# Altium PCB Copy of TempdevAmmy0923.PcbDoc (part 3 of 4) (continued)
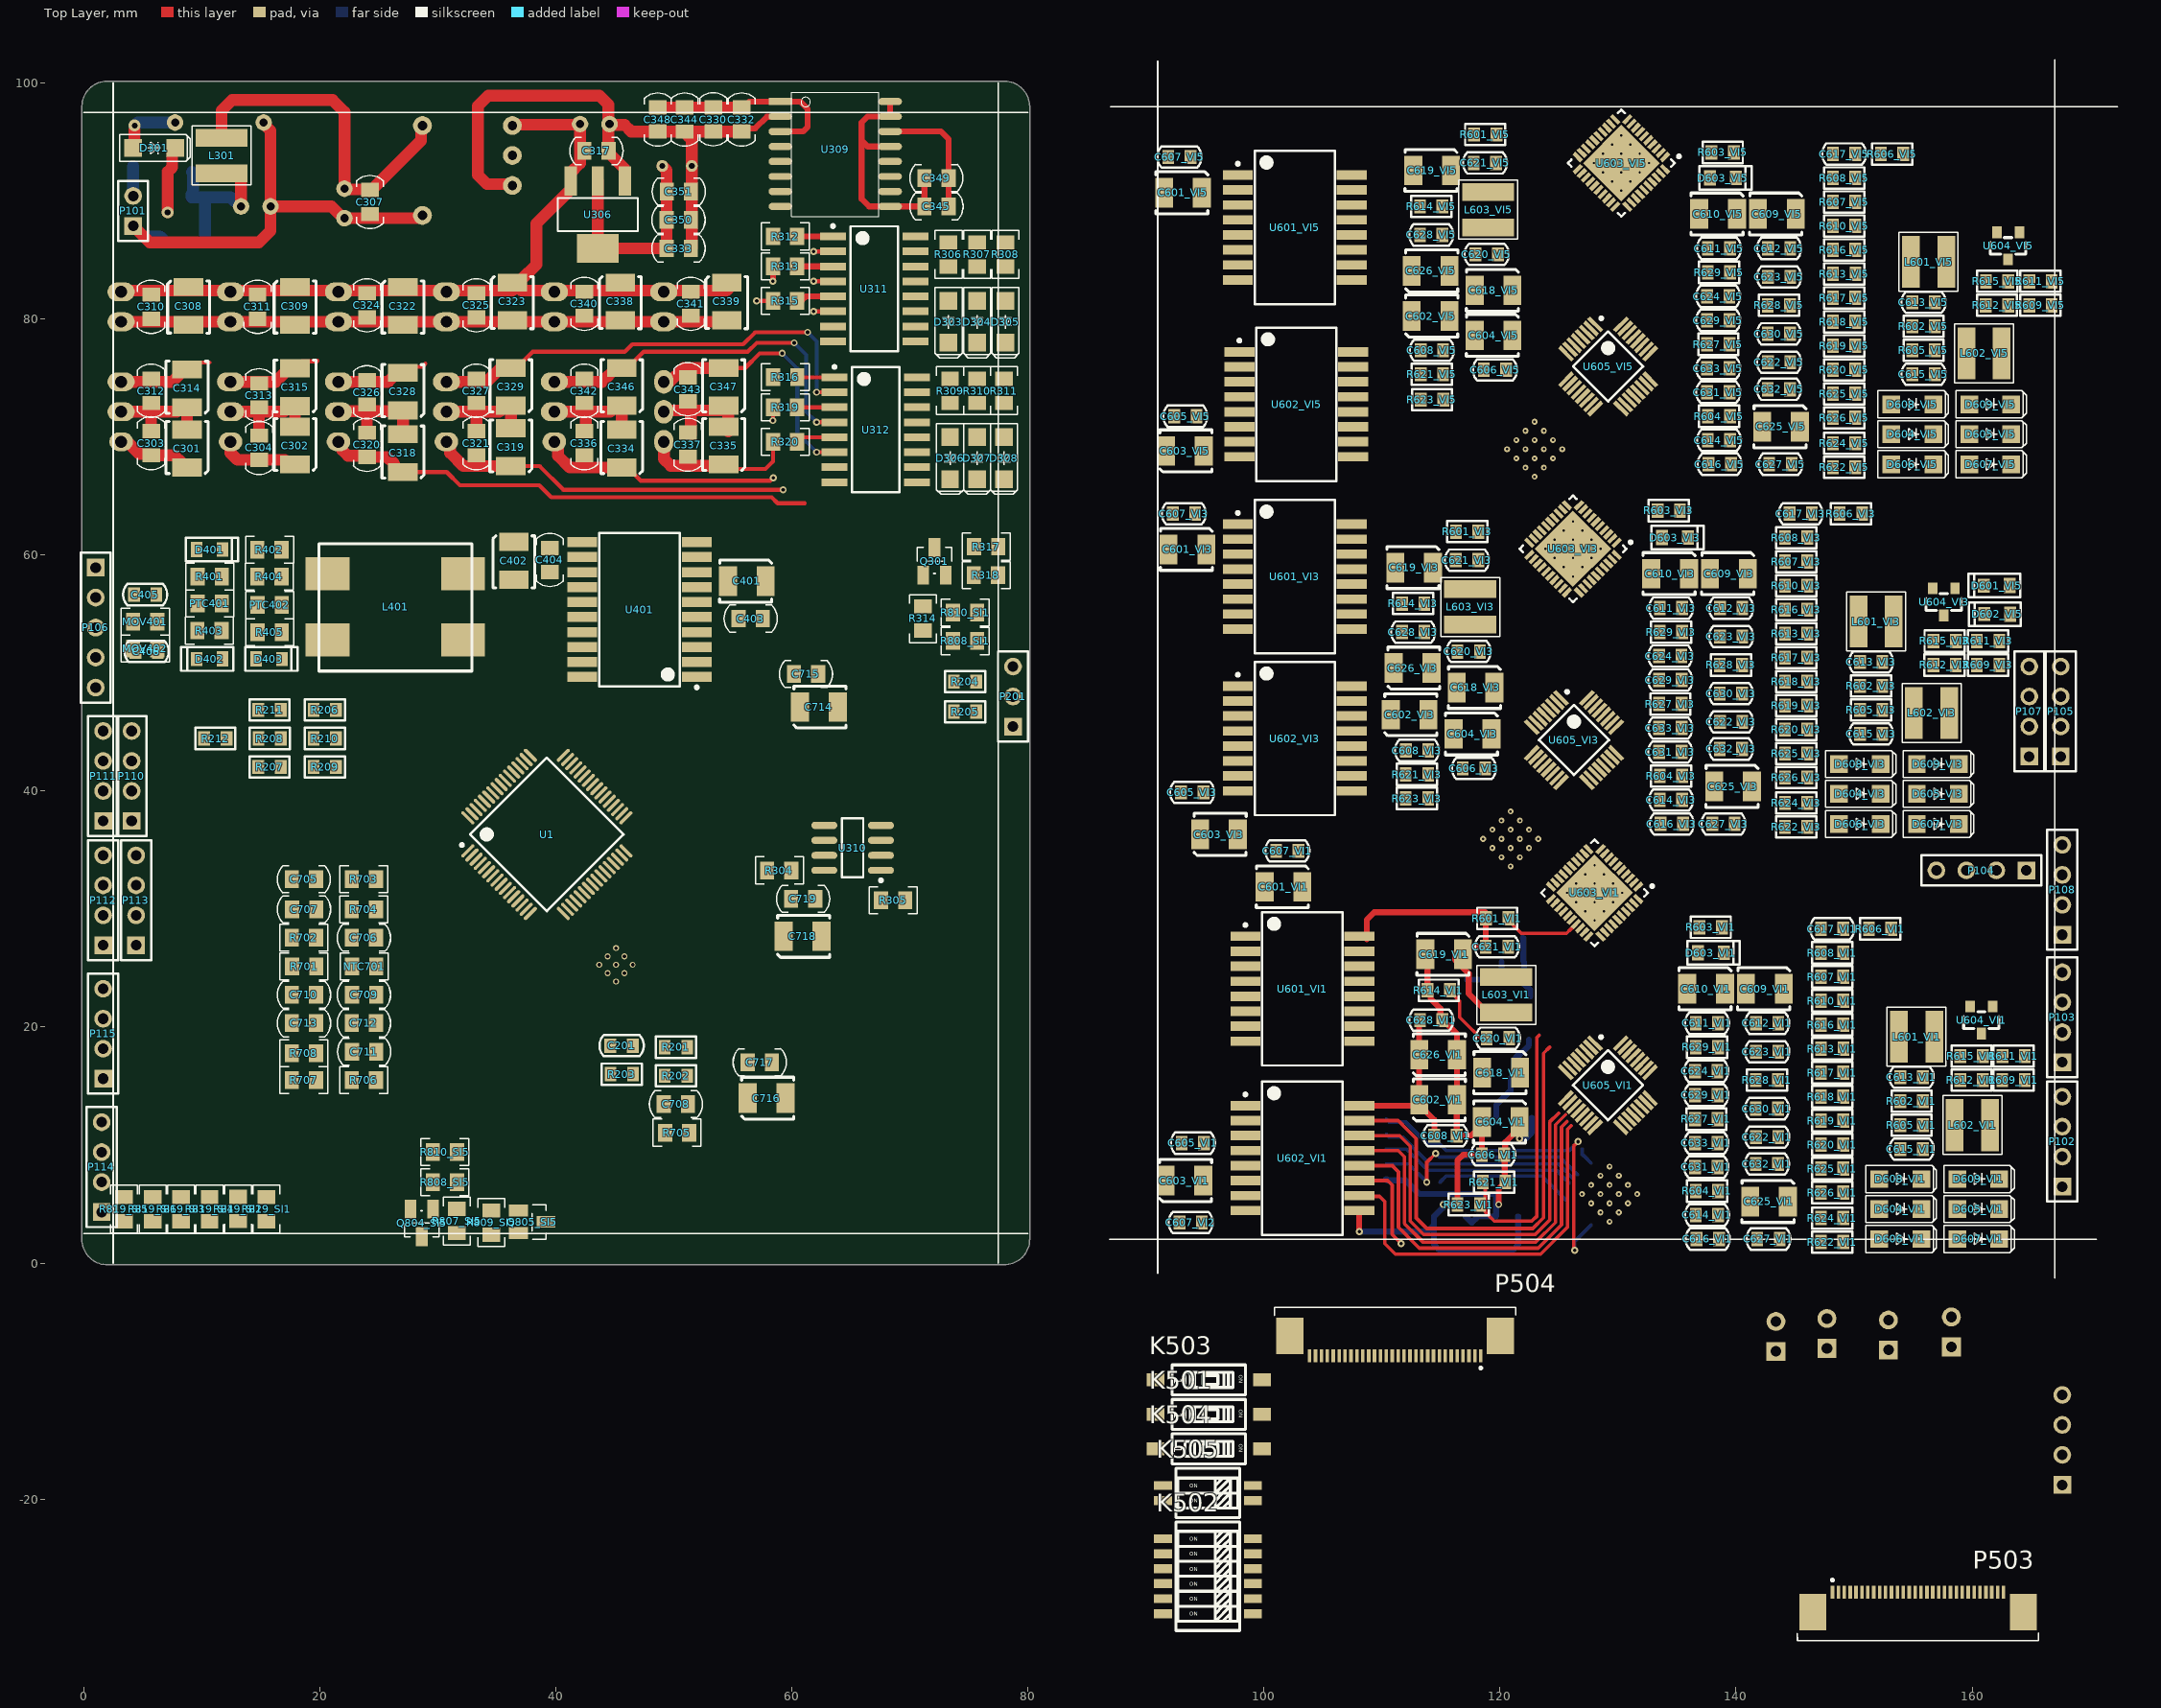
[diagram p0: Top Layer view]
## Part data (continued)
R607_VI1 R607_VI2 R607_VI3 R607_VI4 R607_VI5 R607_VI6: library part Res2, 厂家=国巨, 参数=4.7K, 编号='C705902
U501 U503: library part TPS61040, "BOOST Converter"
U605_VI1 U605_VI2 U605_VI3 U605_VI4 U605_VI5 U605_VI6: "HART and FOUNDATION Fieldbus / PROFIBUS PA Modem"
U604_VI1 U604_VI2 U604_VI3 U604_VI4 U604_VI5 U604_VI6: 厂家=安邦, 编号=C397594

## Via types
v1: diameter 0.5, hole 0.2, Top Layer to Bottom Layer, 96 vias
v2: diameter 0.6, hole 0.3, Top Layer to Bottom Layer, 23 vias
v3: diameter 0.5, hole 0.3, Top Layer to Bottom Layer, 9 vias
v4: diameter 1, hole 0.5, Top Layer to Bottom Layer, 2 vias

## Nets (pads, with @x,y where several pads share a name; then routed paths per layer and width w, separated by ;. In a path a pad name is that pad's centre, name@x,y a point inside that pad or via, vN(x,y) a via of type N, cw(c..) or ccw(c..) an arc to the next point about the centre after c; other vN are vias at no path point)
3.3V: C702.1 C704.1 L701.2 Q801_SI1.3 Q801_SI2.3 Q801_SI3.3 Q801_SI4.3 Q801_SI5.3 Q801_SI6.3 Q802_SI1.3 Q802_SI2.3 Q802_SI3.3 Q802_SI4.3 Q802_SI5.3 Q802_SI6.3 Q804_SI1.3 Q804_SI2.3 Q804_SI3.3 Q804_SI4.3 Q804_SI5.3 Q804_SI6.3 R801_SI1.2 R801_SI2.2 R801_SI3.2 R801_SI4.2 R801_SI5.2 R801_SI6.2 R802_SI1.2 R802_SI2.2 R802_SI3.2 R802_SI4.2 R802_SI5.2 R802_SI6.2 U701.26
3.3VCC: C202.1 C203.1 C331.1 C333.1 C350.1 C351.1 C401.1 C403.1 C502.1 C503.1 C504.1 C513.1 C515.1 C601_VI1.1 C601_VI2.1 C601_VI3.1 C601_VI4.1 C601_VI5.1 C601_VI6.1 C603_VI1.1 C603_VI2.1 C603_VI3.1 C603_VI4.1 C603_VI5.1 C603_VI6.1 C605_VI1.1 C605_VI2.1 C605_VI3.1 C605_VI4.1 C605_VI5.1 C605_VI6.1 C607_VI1.1 C607_VI2.1 C607_VI3.1 C607_VI4.1 C607_VI5.1 C607_VI6.1 C714.1 C715.1 C716.1 C717.1 C718.1 C719.1 L503.1 L504.1 P502.4 P502.17 R203.2 R213.1 R304.1 R306.1 R307.1 R308.1 R309.1 R310.1 R311.1 R314.1 R507.1 R508.1 R509.1 R510.1 R511.1 R512.1 R513.1 R514.1 R515.1 R516.1 R517.1 R519.1 R521.1 R523.1 U1.19 U1.20 U306.2 U310.8 U401.2 U401.8 U501.4 U501.5 U503.4 U503.5 U601_VI1.1 U601_VI2.1 U601_VI3.1 U601_VI4.1 U601_VI5.1 U601_VI6.1 U602_VI1.1 U602_VI2.1 U602_VI3.1 U602_VI4.1 U602_VI5.1 U602_VI6.1 U702.1 U703.1 U704.1 | length 18.7
  Top Layer w1: U306.2@43.561,91.694 U306.2@43.561,85.979 C333.1@49.387,85.979 C350.1@49.387,88.392 49.387,92.599 C331.1@49.022,92.964
3.3VS: C345.1 C349.2 C701.1 C703.1 L701.1 R305.2 U309.14 U701.2 U702.16 U703.16 U704.16 | length 10.9
  Top Layer w0.5: U309.14@68.326,95.885 72.644,95.885 73.279,95.25 C349.2@73.279,91.948 C345.1@73.279,89.535
3.3VSON: R304.2 U1.25 U310.7
3W/4\W\(ON)_SI1: R803_SI1.2 R805_SI1.2 U703.15
3W/4\W\(ON)_SI2: R803_SI2.2 R805_SI2.2 U703.14
3W/4\W\(ON)_SI3: R803_SI3.2 R805_SI3.2 U703.13
3W/4\W\(ON)_SI4: R803_SI4.2 R805_SI4.2 U703.12
3W/4\W\(ON)_SI5: R803_SI5.2 R805_SI5.2 U703.11
3W/4\W\(ON)_SI6: R803_SI6.2 R805_SI6.2 U703.10
3W/4W+_SI1: D802_SI1.2 D803_SI1.2 P110.3 R815_SI1.1 R816_SI1.2
3W/4W+_SI2: D802_SI2.2 D803_SI2.2 P111.3 R815_SI2.1 R816_SI2.2
3W/4W+_SI3: D802_SI3.2 D803_SI3.2 P112.3 R815_SI3.1 R816_SI3.2
3W/4W+_SI4: D802_SI4.2 D803_SI4.2 P113.3 R815_SI4.1 R816_SI4.2
3W/4W+_SI5: D802_SI5.2 D803_SI5.2 P114.3 R815_SI5.1 R816_SI5.2
3W/4W+_SI6: D802_SI6.2 D803_SI6.2 P115.3 R815_SI6.1 R816_SI6.2
3W/4W-_SI1: D803_SI1.1 D804_SI1.2 P110.2 R817_SI1.2 R818_SI1.2
3W/4W-_SI2: D803_SI2.1 D804_SI2.2 P111.2 R817_SI2.2 R818_SI2.2
3W/4W-_SI3: D803_SI3.1 D804_SI3.2 P112.2 R817_SI3.2 R818_SI3.2
3W/4W-_SI4: D803_SI4.1 D804_SI4.2 P113.2 R817_SI4.2 R818_SI4.2
3W/4W-_SI5: D803_SI5.1 D804_SI5.2 P114.2 R817_SI5.2 R818_SI5.2
3W/4W-_SI6: D803_SI6.1 D804_SI6.2 P115.2 R817_SI6.2 R818_SI6.2
3W/4WON1: U1.45 U703.2
3W/4WON2: U1.44 U703.3
3W/4WON3: U1.43 U703.4
3W/4WON4: U1.42 U703.5
3W/4WON5: U1.41 U703.6
3W/4WON6: U1.40 U703.7
3W_ON_G_SI1: Q802_SI1.1 R813_SI1.1
3W_ON_G_SI2: Q802_SI2.1 R813_SI2.1
3W_ON_G_SI3: Q802_SI3.1 R813_SI3.1
3W_ON_G_SI4: Q802_SI4.1 R813_SI4.1
3W_ON_G_SI5: Q802_SI5.1 R813_SI5.1
3W_ON_G_SI6: Q802_SI6.1 R813_SI6.1
4W_ON_G_SI1: Q801_SI1.1 R812_SI1.1
4W_ON_G_SI2: Q801_SI2.1 R812_SI2.1
4W_ON_G_SI3: Q801_SI3.1 R812_SI3.1
4W_ON_G_SI4: Q801_SI4.1 R812_SI4.1
4W_ON_G_SI5: Q801_SI5.1 R812_SI5.1
4W_ON_G_SI6: Q801_SI6.1 R812_SI6.1
4W_SI1: C801_SI1.1 D801_SI1.2 P110.4 Q806_SI1.1
4W_SI2: C801_SI2.1 D801_SI2.2 P111.4 Q806_SI2.1
4W_SI3: C801_SI3.1 D801_SI3.2 P112.4 Q806_SI3.1
4W_SI4: C801_SI4.1 D801_SI4.2 P113.4 Q806_SI4.1
4W_SI5: C801_SI5.1 D801_SI5.2 P114.4 Q806_SI5.1
4W_SI6: C801_SI6.1 D801_SI6.2 P115.4 Q806_SI6.1
5VGND: C201.1 C202.2 C203.2 C308.2 C309.2 C310.1 C311.1 C316.2 C317.1 C322.2 C323.2 C324.1 C325.1 C330.2 C331.2 C332.1 C333.2 C338.2 C339.2 C340.1 C341.1 C344.2 C348.1 C350.2 C351.2 C401.2 C403.2 C502.2 C503.2 C504.2 C505.2 C507.2 C508.2 C509.2 C510.2 C511.2 C512.2 C513.2 C515.2 C516.2 C601_VI1.2 C601_VI2.2 C601_VI3.2 C601_VI4.2 C601_VI5.2 C601_VI6.2 C603_VI1.2 C603_VI2.2 C603_VI3.2 C603_VI4.2 C603_VI5.2 C603_VI6.2 C605_VI1.2 C605_VI2.2 C605_VI3.2 C605_VI4.2 C605_VI5.2 C605_VI6.2 C607_VI1.2 C607_VI2.2 C607_VI3.2 C607_VI4.2 C607_VI5.2 C607_VI6.2 C714.2 C715.2 C716.2 C717.2 C718.2 C719.2 D504.1 D505.1 D507.1 D513.2 K501.1 K502.1 K502.2 K502.3 K502.4 K502.5 K502.6 K503.1 K504.1 K505.1 K505.3 L502.1 P201.1 P502.1 P502.7 P502.8 P502.9 P502.10 P502.11 P502.15 P502.16 P502.18 P502.20 P502.28 P502.30 Q301.3 Q501.3 Q502.3 Q503.3 Q504.3 R318.2 R505.2 R526.2 R528.1 R530.2 U1.21 U301.2 U302.2 U303.7 U304.2 U305.2 U306.1 U307.2 U308.2 U309.2 U310.2 U310.5 U311.11 U311.13 U311.15 U312.11 U312.13 U312.15 U401.1 U401.3 U401.9 U401.10 U501.2 U503.2 U601_VI1.8 U601_VI2.8 U601_VI3.8 U601_VI4.8 U601_VI5.8 U601_VI6.8 U602_VI1.8 U602_VI2.8 U602_VI3.8 U602_VI4.8 U602_VI5.8 U602_VI6.8 U702.8 U703.8 U704.2 U704.8 | length 104
  Top Layer w0.5: C332.1@55.753,95.885 56.014,96.146 56.903,96.146 57.893,97.136 59.007,97.136 U309.2@59.026,97.155
  Top Layer w1: U301.2@3.175,79.756 5.715,79.756 8.89,79.756 U302.2@12.446,79.756 14.732,79.756 17.907,79.756 U304.2@21.59,79.756 24.003,79.756 27.051,79.756 U305.2@30.734,79.756 33.274,79.756 36.322,79.756 U307.2@39.878,79.756 42.418,79.756 45.466,79.756 U308.2@49.149,79.756 51.435,79.756 C339.2@53.716,79.756 ; U303.7@36.322,91.313 36.207,91.428 34.175,91.428 33.401,92.202 33.401,98.044 34.29,98.933 43.688,98.933 44.466,98.155 C317.1@44.466,94.234 44.466,94.084 45.836,92.714 45.836,91.719 U306.1@45.861,91.694 ; C316.2@44.557,96.52 44.634,96.443 45.833,96.443 46.391,95.885 C348.1@48.641,95.885 C332.1@55.753,95.885 ; C344.2@50.927,95.869 51.077,95.869 51.177,95.769 51.177,95.528 51.522,95.183 C331.2@51.522,92.964 51.522,86.066 C333.2@51.435,85.979
5VIN: C308.1 C309.1 C310.2 C311.2 C316.1 C317.2 C322.1 C323.1 C324.2 C325.2 C330.1 C332.2 C338.1 C339.1 C340.2 C341.2 C344.1 C348.2 U301.1 U302.1 U303.5 U304.1 U305.1 U306.3 U307.1 U308.1 U309.1 U309.3 | length 91.1
  Top Layer w0.5: C332.2@55.753,97.933 55.903,97.933 56.395,98.425 U309.1@59.026,98.425 60.706,98.425 61.341,97.79 61.341,96.266 60.96,95.885 U309.3@59.026,95.885
  Top Layer w1: U301.1@3.175,82.296 3.29,82.411 5.715,82.411 8.89,82.411 12.446,82.411 14.732,82.411 17.907,82.411 21.59,82.411 24.003,82.411 27.051,82.411 30.734,82.411 33.274,82.411 C323.1@36.322,82.411 ; C323.1@36.322,82.767 C323.1@37.072,82.767 ; C323.1@36.322,83.083 C323.1@36.81,83.083 ; U303.5@36.322,96.393 36.386,96.456 41.993,96.456 C316.1@42.057,96.52 42.057,94.234 42.057,93.197 41.261,92.401 U306.3@41.261,91.694 41.261,90.987 38.354,88.08 38.354,84.607 37.072,83.325 37.072,82.837 C323.1@36.81,82.575 ; C323.1@37.072,82.411 39.878,82.411 42.418,82.411 45.466,82.411 49.149,82.411 51.435,82.411 54.471,82.411 C339.1@54.61,82.55 ; C348.2@48.641,97.933 C332.2@55.753,97.933
5VLDO: R609_VI1.1 R609_VI2.1 R609_VI3.1 R609_VI4.1 R609_VI5.1 R609_VI6.1 R611_VI1.1 R611_VI2.1 R611_VI3.1 R611_VI4.1 R611_VI5.1 R611_VI6.1 R612_VI1.1 R612_VI2.1 R612_VI3.1 R612_VI4.1 R612_VI5.1 R612_VI6.1 U603_VI1.3 U603_VI2.3 U603_VI3.3 U603_VI4.3 U603_VI5.3 U603_VI6.3 U604_VI1.1 U604_VI2.1 U604_VI3.1 U604_VI4.1 U604_VI5.1 U604_VI6.1
15V1: C301.1 C303.1 C609_VI1.1 C612_VI1.1 D605_VI1.2 D607_VI1.2 D609_VI1.2 R312.2 R609_VI1.2 R611_VI1.2 U301.6 U603_VI1.2 | length 5.9
  Top Layer w0.35: R312.2@58.357,86.948 R312.2@58.404,86.995
  Top Layer w1: U301.6@3.175,69.596 3.687,69.596 4.73,68.553 5.615,68.553 C303.1@5.715,68.453 7.681,68.453 C301.1@8.267,67.867 ; C301.1@8.763,67.412 C301.1@8.788,67.437
15V2: C302.1 C304.1 C609_VI2.1 C612_VI2.1 D605_VI2.2 D607_VI2.2 D609_VI2.2 R313.2 R609_VI2.2 R611_VI2.2 U302.6 U603_VI2.2 | length 8.1
  Top Layer w0.5: R313.2@58.404,84.455 v2(58.404,83.201) v2@58.42,83.185
  Top Layer w1: U302.6@12.446,69.596 12.446,68.642 13.032,68.056 C304.1@14.859,68.056 17.029,68.056 17.419,67.666 C302.1@17.907,67.666 ; R313.2@58.404,84.455 R313.2@58.42,84.439
15V3: C318.1 C320.1 C609_VI3.1 C612_VI3.1 D605_VI3.2 D607_VI3.2 D609_VI3.2 R315.2 R609_VI3.2 R611_VI3.2 U304.6 U603_VI3.2 | length 43.5
  Top Layer w0.35: C318.1@27.051,67.031 30.759,67.031 31.877,65.913 38.608,65.913 39.624,64.897 58.293,64.897 58.801,64.389 61.087,64.389 ; v2(57.023,81.534) R315.2@58.404,81.534
  Top Layer w1: U304.6@21.59,69.596 21.628,69.596 21.905,69.319 21.905,68.896 22.391,68.41 23.903,68.41 C320.1@24.003,68.31 25.715,68.31 26.301,67.724 26.301,67.293 26.563,67.031 C318.1@27.051,67.031
15V4: C319.1 C321.1 C609_VI4.1 C612_VI4.1 D605_VI4.2 D607_VI4.2 D609_VI4.2 R316.2 R609_VI4.2 R611_VI4.2 U305.6 U603_VI4.2 | length 30.6
  Top Layer w0.35: C319.1@36.195,67.539 38.633,67.539 40.64,65.532 v2(59.267,65.532)
  Top Layer w1: U305.6@30.734,69.596 30.772,69.596 31.049,69.319 31.049,68.658 32.168,67.539 C319.1@36.195,67.539
15V5: C334.1 C336.1 C609_VI5.1 C612_VI5.1 D605_VI5.2 D607_VI5.2 D609_VI5.2 R319.2 R609_VI5.2 R611_VI5.2 U307.6 U603_VI5.2 | length 21.7
  Top Layer w0.35: C334.1@45.593,67.412 46.081,67.412 47.199,66.294 58.166,66.294 v2(58.42,66.548) ; v2(58.404,71.39) R319.2@58.404,72.517
  Top Layer w1: U307.6@39.878,69.596 39.916,69.596 40.193,69.319 40.193,68.404 41.185,67.412 C334.1@45.593,67.412
15V6: C335.1 C337.1 C609_VI6.1 C612_VI6.1 D605_VI6.2 D607_VI6.2 D609_VI6.2 R320.2 R609_VI6.2 R611_VI6.2 U308.6 U603_VI6.2 | length 12.9
  Top Layer w0.35: C335.1@54.229,67.285 57.76,67.285 58.404,67.929 R320.2@58.404,69.596
  Top Layer w1: U308.6@49.149,69.596 49.155,69.59 49.155,68.15 49.741,67.564 54.127,67.564 C335.1@54.229,67.666
485WR/RD: U1.11 U401.5 U401.6
+VS_VI1: D602_VI1.2 D604_VI1.2 D605_VI1.1 P102.1 R608_VI1.1
+VS_VI2: D602_VI2.2 D604_VI2.2 D605_VI2.1 P103.1 R608_VI2.1
+VS_VI3: D602_VI3.2 D604_VI3.2 D605_VI3.1 P104.1 R608_VI3.1
+VS_VI4: D602_VI4.2 D604_VI4.2 D605_VI4.1 P105.1 R608_VI4.1
+VS_VI5: D602_VI5.2 D604_VI5.2 D605_VI5.1 P107.1 R608_VI5.1
+VS_VI6: D602_VI6.2 D604_VI6.2 D605_VI6.1 P108.1 R608_VI6.1
+VSENSE_VI1: R607_VI1.2 R608_VI1.2 U603_VI1.36
+VSENSE_VI2: R607_VI2.2 R608_VI2.2 U603_VI2.36
+VSENSE_VI3: R607_VI3.2 R608_VI3.2 U603_VI3.36
+VSENSE_VI4: R607_VI4.2 R608_VI4.2 U603_VI4.36
+VSENSE_VI5: R607_VI5.2 R608_VI5.2 U603_VI5.36
+VSENSE_VI6: R607_VI6.2 R608_VI6.2 U603_VI6.36
-15V1: C312.1 C314.2 C610_VI1.2 C611_VI1.1 D604_VI1.1 D606_VI1.1 D608_VI1.1 U301.4 U311.2 U603_VI1.29 | length 10
  Top Layer w0.35: C314.2@8.763,75.717 9.35,76.304 10.645,76.304 ; v2(61.849,85.725) U311.2@63.485,85.725
  Top Layer w1: U301.4@3.175,74.676 7.513,74.676 8.529,75.692 C314.2@9.017,75.692
-15V2: C313.1 C315.2 C610_VI2.2 C611_VI2.1 D604_VI2.1 D606_VI2.1 D608_VI2.1 U302.4 U311.4 U603_VI2.29 | length 9.7
  Top Layer w0.35: C315.2@17.907,75.819 18.494,76.406 19.764,76.406 19.812,76.454 ; v2(61.849,83.185) U311.4@63.485,83.185
  Top Layer w1: U302.4@12.446,74.676 16.276,74.676 17.419,75.819 C315.2@17.907,75.819
-15V3: C326.1 C328.2 C610_VI3.2 C611_VI3.1 D604_VI3.1 D606_VI3.1 D608_VI3.1 U304.4 U311.6 U603_VI3.29 | length 9.7
  Top Layer w0.35: C328.2@26.563,75.438 C328.2@27.051,75.438 27.559,75.946 28.702,75.946 28.956,76.2 ; v2(61.849,80.645) U311.6@63.485,80.645
  Top Layer w1: U304.4@21.59,74.676 25.801,74.676 C328.2@26.563,75.438
  Bottom Layer w0.35: v2@61.801,80.597 v2(61.849,80.645)
-15V4: C327.1 C329.2 C610_VI4.2 C611_VI4.1 D604_VI4.1 D606_VI4.1 D608_VI4.1 U305.4 U312.2 U603_VI4.29 | length 38.4
  Top Layer w0.35: C329.2@36.195,75.844 36.683,75.844 38.055,77.216 45.847,77.216 46.482,77.851 55.88,77.851 56.896,78.867 v2(61.341,78.867) ; v2(62.103,73.787) U312.2@63.612,73.787
  Top Layer w1: U305.4@30.734,74.676 34.158,74.676 C329.2@35.367,75.885
  Bottom Layer w0.35: v2(61.341,78.867) 62.103,78.105 v2(62.103,73.787)
-15V5: C342.1 C346.2 C610_VI5.2 C611_VI5.1 D604_VI5.1 D606_VI5.1 D608_VI5.1 U307.4 U312.4 U603_VI5.29 | length 30.7
  Top Layer w0.35: C346.2@45.593,75.844 46.081,75.844 47.453,77.216 56.261,77.216 57.023,77.978 v2(60.198,77.978) ; v2(62.103,71.247) U312.4@63.612,71.247
  Top Layer w1: U307.4@39.878,74.676 43.937,74.676 45.105,75.844 C346.2@45.593,75.844
  Bottom Layer w0.35: v2(60.198,77.978) 61.214,76.962 61.214,72.136 v2(62.103,71.247)
-15V6: C343.1 C347.2 C610_VI6.2 C611_VI6.1 D604_VI6.1 D606_VI6.1 D608_VI6.1 U308.4 U312.6 U603_VI6.29 | length 22.1
  Top Layer w0.35: C347.2@54.229,75.844 56.032,75.844 57.277,77.089 v2(59.182,77.089) ; v2(62.103,68.707) U312.6@63.612,68.707
  Top Layer w1: U308.4@49.149,74.676 49.661,74.676 50.829,75.844 C347.2@54.229,75.844
  Bottom Layer w0.35: v2(59.182,77.089) 60.452,75.819 60.452,70.358 v2(62.103,68.707)
-VS_VI1: C301.2 C303.2 C312.2 C314.1 C609_VI1.2 C610_VI1.1 C611_VI1.2 C612_VI1.2 C614_VI1.2 C616_VI1.1 D601_VI1.1 D602_VI1.1 D603_VI1.1 D603_VI1.2 D606_VI1.2 D607_VI1.1 P102.3 P102.4 R602_VI1.1 R605_VI1.1 R610_VI1.1 R613_VI1.2 R615_VI1.2 R617_VI1.2 R619_VI1.2 R622_VI1.2 R625_VI1.2 U301.5 U603_VI1.5 U603_VI1.6 U604_VI1.3 | length 10
  Top Layer w1: U301.5@3.175,72.136 5.715,72.136 ; C303.2@5.715,70.501 5.715,72.136 ; C312.2@5.715,72.882 5.715,72.136 ; C301.2@8.763,70.612 C314.1@8.763,72.517 8.275,72.517 7.894,72.136 5.715,72.136
-VS_VI2: C302.2 C304.2 C313.2 C315.1 C609_VI2.2 C610_VI2.1 C611_VI2.2 C612_VI2.2 C614_VI2.2 C616_VI2.1 D601_VI2.1 D602_VI2.1 D603_VI2.1 D603_VI2.2 D606_VI2.2 D607_VI2.1 P103.3 P103.4 R602_VI2.1 R605_VI2.1 R610_VI2.1 R613_VI2.2 R615_VI2.2 R617_VI2.2 R619_VI2.2 R622_VI2.2 R625_VI2.2 U302.5 U603_VI2.5 U603_VI2.6 U604_VI2.3 | length 9.7
  Top Layer w1: U302.5@12.446,72.136 C313.2@14.859,72.136 ; C304.2@14.859,70.104 C313.2@14.859,72.136 ; C313.2@14.859,72.501 C313.2@14.859,72.136 ; C302.2@17.907,70.866 17.907,72.357 17.645,72.619 17.419,72.619 16.936,72.136 C313.2@14.859,72.136
-VS_VI3: C318.2 C320.2 C326.2 C328.1 C609_VI3.2 C610_VI3.1 C611_VI3.2 C612_VI3.2 C614_VI3.2 C616_VI3.1 D601_VI3.1 D602_VI3.1 D603_VI3.1 D603_VI3.2 D606_VI3.2 D607_VI3.1 P104.3 P104.4 R602_VI3.1 R605_VI3.1 R610_VI3.1 R613_VI3.2 R615_VI3.2 R617_VI3.2 R619_VI3.2 R622_VI3.2 R625_VI3.2 U304.5 U603_VI3.5 U603_VI3.6 U604_VI3.3 | length 9.8
  Top Layer w1: U304.5@21.59,72.136 21.641,72.187 C326.2@24.003,72.187 ; C320.2@24.003,70.358 C326.2@24.003,72.187 ; C326.2@24.003,72.755 C326.2@24.003,72.187 ; C318.2@27.051,70.231 27.051,72.136 27,72.187 C326.2@24.003,72.187
-VS_VI4: C319.2 C321.2 C327.2 C329.1 C609_VI4.2 C610_VI4.1 C611_VI4.2 C612_VI4.2 C614_VI4.2 C616_VI4.1 D601_VI4.1 D602_VI4.1 D603_VI4.1 D603_VI4.2 D606_VI4.2 D607_VI4.1 P105.3 P105.4 R602_VI4.1 R605_VI4.1 R610_VI4.1 R613_VI4.2 R615_VI4.2 R617_VI4.2 R619_VI4.2 R622_VI4.2 R625_VI4.2 U305.5 U603_VI4.5 U603_VI4.6 U604_VI4.3 | length 9.8
  Top Layer w1: U305.5@30.734,72.136 33.274,72.136 ; C321.2@33.274,70.501 33.274,72.136 ; C327.2@33.274,72.882 33.274,72.136 ; C319.2@36.195,70.739 36.195,72.382 35.933,72.644 35.707,72.644 35.199,72.136 33.274,72.136
-VS_VI5: C334.2 C336.2 C342.2 C346.1 C609_VI5.2 C610_VI5.1 C611_VI5.2 C612_VI5.2 C614_VI5.2 C616_VI5.1 D601_VI5.1 D602_VI5.1 D603_VI5.1 D603_VI5.2 D606_VI5.2 D607_VI5.1 P107.3 P107.4 R602_VI5.1 R605_VI5.1 R610_VI5.1 R613_VI5.2 R615_VI5.2 R617_VI5.2 R619_VI5.2 R622_VI5.2 R625_VI5.2 U307.5 U603_VI5.5 U603_VI5.6 U604_VI5.3 | length 9.7
  Top Layer w1: U307.5@39.878,72.136 42.545,72.136 ; C336.2@42.418,70.501 42.445,70.501 42.545,70.601 42.545,72.136 ; C334.2@45.593,70.612 C346.1@45.593,72.644 45.105,72.644 44.597,72.136 42.545,72.136
-VS_VI6: C335.2 C337.2 C343.2 C347.1 C609_VI6.2 C610_VI6.1 C611_VI6.2 C612_VI6.2 C614_VI6.2 C616_VI6.1 D601_VI6.1 D602_VI6.1 D603_VI6.1 D603_VI6.2 D606_VI6.2 D607_VI6.1 P108.3 P108.4 R602_VI6.1 R605_VI6.1 R610_VI6.1 R613_VI6.2 R615_VI6.2 R617_VI6.2 R619_VI6.2 R622_VI6.2 R625_VI6.2 U308.5 U603_VI6.5 U603_VI6.6 U604_VI6.3 | length 10
  Top Layer w1: U308.5@49.149,72.136 49.264,72.251 51.435,72.251 ; C337.2@51.435,70.247 51.435,72.251 ; C343.2@51.435,73.009 51.435,72.251 ; C335.2@54.61,70.485 54.61,72.128 54.487,72.251 51.435,72.251
-VSENSE_VI1: R610_VI1.2 U603_VI1.34
-VSENSE_VI2: R610_VI2.2 U603_VI2.34
-VSENSE_VI3: R610_VI3.2 U603_VI3.34
-VSENSE_VI4: R610_VI4.2 U603_VI4.34
-VSENSE_VI5: R610_VI5.2 U603_VI5.34
-VSENSE_VI6: R610_VI6.2 U603_VI6.34
AD0_VI1: R622_VI1.1 R624_VI1.2 U603_VI1.26
AD0_VI2: R622_VI2.1 R624_VI2.2 U603_VI2.26
AD0_VI3: R622_VI3.1 R624_VI3.2 U603_VI3.26
AD0_VI4: R622_VI4.1 R624_VI4.2 U603_VI4.26
AD0_VI5: R622_VI5.1 R624_VI5.2 U603_VI5.26
AD0_VI6: R622_VI6.1 R624_VI6.2 U603_VI6.26
AD1_VI1: R625_VI1.1 R626_VI1.2 U603_VI1.25
AD1_VI2: R625_VI2.1 R626_VI2.2 U603_VI2.25
AD1_VI3: R625_VI3.1 R626_VI3.2 U603_VI3.25
AD1_VI4: R625_VI4.1 R626_VI4.2 U603_VI4.25
AD1_VI5: R625_VI5.1 R626_VI5.2 U603_VI5.25
AD1_VI6: R625_VI6.1 R626_VI6.2 U603_VI6.25
ADC1_VI1: U603_VI1.4
ADC1_VI2: U603_VI2.4
ADC1_VI3: U603_VI3.4
ADC1_VI4: U603_VI4.4
ADC1_VI5: U603_VI5.4
ADC1_VI6: U603_VI6.4
ADC2_VI1: U603_VI1.38
ADC2_VI2: U603_VI2.38
ADC2_VI3: U603_VI3.38
ADC2_VI4: U603_VI4.38
ADC2_VI5: U603_VI5.38
ADC2_VI6: U603_VI6.38
ADC\S\: U701.32 U704.14
ADC_C\S\: U1.34 U704.3
ADC_DIN: U1.31 U704.5
ADC_DOUT: R201.2 U1.30 U704.6
ADC_SCLK: R202.2 R203.1 U1.29 U704.4
ADDIN: U701.29 U704.12
ADDOUT: U701.28 U704.11
ADSCLK: U701.30 U704.13
ADSTATUS: R522.1 U1.23
AIN12: R706.2 R707.2 U701.18
AIN13: R818_SI1.1 R818_SI2.1 R818_SI3.1 R818_SI4.1 R818_SI5.1 R818_SI6.1 U701.19
AVLDO: C618_VI1.1 C618_VI2.1 C618_VI3.1 C618_VI4.1 C618_VI5.1 C618_VI6.1 C620_VI1.1 C620_VI2.1 C620_VI3.1 C620_VI4.1 C620_VI5.1 C620_VI6.1 C625_VI1.1 C625_VI2.1 C625_VI3.1 C625_VI4.1 C625_VI5.1 C625_VI6.1 C627_VI1.1 C627_VI2.1 C627_VI3.1 C627_VI4.1 C627_VI5.1 C627_VI6.1 L603_VI1.1 L603_VI2.1 L603_VI3.1 L603_VI4.1 L603_VI5.1 L603_VI6.1 U603_VI1.12 U603_VI2.12 U603_VI3.12 U603_VI4.12 U603_VI5.12 U603_VI6.12 U605_VI1.23 U605_VI2.23 U605_VI3.23 U605_VI4.23 U605_VI5.23 U605_VI6.23 | length 8.2
  Bottom Layer w0.5: L603_VI2.1@119.682,11.938 119.682,13.388 120.903,14.609 120.903,15.625 C620_VI2.1@121.153,15.875 121.153,17.225 121.497,17.569 121.587,17.569 122.453,18.435 C618_VI2.1@122.453,18.923
AVLDOGND: C618_VI1.2 C618_VI2.2 C618_VI3.2 C618_VI4.2 C618_VI5.2 C618_VI6.2 C620_VI1.2 C620_VI2.2 C620_VI3.2 C620_VI4.2 C620_VI5.2 C620_VI6.2 C623_VI1.1 C623_VI2.1 C623_VI3.1 C623_VI4.1 C623_VI5.1 C623_VI6.1 C625_VI1.2 C625_VI2.2 C625_VI3.2 C625_VI4.2 C625_VI5.2 C625_VI6.2 C627_VI1.2 C627_VI2.2 C627_VI3.2 C627_VI4.2 C627_VI5.2 C627_VI6.2 C629_VI1.1 C629_VI2.1 C629_VI3.1 C629_VI4.1 C629_VI5.1 C629_VI6.1 C630_VI1.1 C630_VI2.1 C630_VI3.1 C630_VI4.1 C630_VI5.1 C630_VI6.1 C632_VI1.2 C632_VI2.2 C632_VI3.2 C632_VI4.2 C632_VI5.2 C632_VI6.2 C633_VI1.2 C633_VI2.2 C633_VI3.2 C633_VI4.2 C633_VI5.2 C633_VI6.2 R614_VI1.1 R614_VI2.1 R614_VI3.1 R614_VI4.1 R614_VI5.1 R614_VI6.1 R628_VI1.2 R628_VI2.2 R628_VI3.2 R628_VI4.2 R628_VI5.2 R628_VI6.2 U605_VI1.26 U605_VI2.26 U605_VI3.26 U605_VI4.26 U605_VI5.26 U605_VI6.26 | length 6.3
  Top Layer w0.3: R614_VI1.1@115.758,23.114 115.758,23.014 116.586,22.186 116.586,20.828 C620_VI1.2@118.745,18.669 ; C620_VI1.2@118.527,19.5 118.877,19.15 C620_VI1.2@118.877,19.05
AVSS: C702.2 C704.2 C705.2 C707.2 C709.1 C710.1 C711.2 C713.2 C801_SI1.2 C801_SI2.2 C801_SI3.2 C801_SI4.2 C801_SI5.2 C801_SI6.2 C802_SI1.1 C802_SI2.1 C802_SI3.1 C802_SI4.1 C802_SI5.1 C802_SI6.1 C803_SI1.2 C803_SI2.2 C803_SI3.2 C803_SI4.2 C803_SI5.2 C803_SI6.2 C805_SI1.2 C805_SI2.2 C805_SI3.2 C805_SI4.2 C805_SI5.2 C805_SI6.2 D801_SI1.1 D801_SI2.1 D801_SI3.1 D801_SI4.1 D801_SI5.1 D801_SI6.1 D802_SI1.1 D802_SI2.1 D802_SI3.1 D802_SI4.1 D802_SI5.1 D802_SI6.1 D804_SI1.1 D804_SI2.1 D804_SI3.1 D804_SI4.1 D804_SI5.1 D804_SI6.1 L702.2 Q803_SI1.3 Q803_SI2.3 Q803_SI3.3 Q803_SI4.3 Q803_SI5.3 Q803_SI6.3 R704.1 R806_SI1.2 R806_SI2.2 R806_SI3.2 R806_SI4.2 R806_SI5.2 R806_SI6.2 R809_SI1.2 R809_SI2.2 R809_SI3.2 R809_SI4.2 R809_SI5.2 R809_SI6.2 R810_SI1.2 R810_SI2.2 R810_SI3.2 R810_SI4.2 R810_SI5.2 R810_SI6.2 R811_SI1.1 R811_SI2.1 R811_SI3.1 R811_SI4.1 R811_SI5.1 R811_SI6.1 R814_SI1.1 R814_SI2.1 R814_SI3.1 R814_SI4.1 R814_SI5.1 R814_SI6.1 U701.23
BUTTON1: K501.2 R513.2 U1.15
BUTTON2: K503.2 R514.2 U1.14
BUTTON3: K504.2 R515.2 U1.8
BUTTON4: K505.2 R516.2 U1.7
BUTTON5A: K502.12 R507.2 U1.6
BUTTON5B: K502.11 R508.2 U1.5
BUTTON5C: K502.10 R509.2 U1.4
BUTTON5D: K502.9 R510.2 U1.3
BUTTON5E: K502.8 R511.2 U1.2
BUTTON5F: K502.7 R512.2 U1.1
CCOMP_VI1: C617_VI1.2 U603_VI1.35
CCOMP_VI2: C617_VI2.2 U603_VI2.35
CCOMP_VI3: C617_VI3.2 U603_VI3.35
CCOMP_VI4: C617_VI4.2 U603_VI4.35
CCOMP_VI5: C617_VI5.2 U603_VI5.35
CCOMP_VI6: C617_VI6.2 U603_VI6.35
CD/IRQ_VI1: U602_VI1.11 U605_VI1.7 | length 8.2
  Top Layer w0.3: U602_VI1.11@108.076,6.985 110.49,6.985 110.871,6.604 110.871,2.413 v2(111.633,1.651)
CD/IRQ_VI2: U602_VI2.11 U605_VI2.7
CD/IRQ_VI3: U602_VI3.11 U605_VI3.7
CD/IRQ_VI4: U602_VI4.11 U605_VI4.7
CD/IRQ_VI5: U602_VI5.11 U605_VI5.7
CD/IRQ_VI6: U602_VI6.11 U605_VI6.7
CHART_VI1: C614_VI1.1 C631_VI1.1 R604_VI1.1
CHART_VI2: C614_VI2.1 C631_VI2.1 R604_VI2.1
CHART_VI3: C614_VI3.1 C631_VI3.1 R604_VI3.1
CHART_VI4: C614_VI4.1 C631_VI4.1 R604_VI4.1
CHART_VI5: C614_VI5.1 C631_VI5.1 R604_VI5.1
CHART_VI6: C614_VI6.1 C631_VI6.1 R604_VI6.1
CHN8_N: C706.2 C707.1 R703.1 U701.21
CHN8_P: C705.1 C706.1 R702.1 U701.20
CHNN1: C804_SI1.2 C805_SI1.1 R817_SI1.1 U701.5
CHNN2: C804_SI2.2 C805_SI2.1 R817_SI2.1 U701.7
CHNN3: C804_SI3.2 C805_SI3.1 R817_SI3.1 U701.9
CHNN4: C804_SI4.2 C805_SI4.1 R817_SI4.1 U701.11
CHNN5: C804_SI5.2 C805_SI5.1 R817_SI5.1 U701.15
CHNN6: C804_SI6.2 C805_SI6.1 R817_SI6.1 U701.17
CHNP1: C803_SI1.1 C804_SI1.1 R816_SI1.1 U701.4
CHNP2: C803_SI2.1 C804_SI2.1 R816_SI2.1 U701.6
CHNP3: C803_SI3.1 C804_SI3.1 R816_SI3.1 U701.8
CHNP4: C803_SI4.1 C804_SI4.1 R816_SI4.1 U701.10
CHNP5: C803_SI5.1 C804_SI5.1 R816_SI5.1 U701.14
CHNP6: C803_SI6.1 C804_SI6.1 R816_SI6.1 U701.16
CHNxO\N\1: U1.39 U702.2
CHNxO\N\2: U1.38 U702.3
CHNxO\N\3: U1.37 U702.4
CHNxO\N\4: U1.36 U702.5
CHNxO\N\5: U1.35 U702.6
CHNxO\N\6: U1.33 U702.7
CHNxO\N\_SI1: R808_SI1.2 U702.15
CHNxO\N\_SI2: R808_SI2.2 U702.14
CHNxO\N\_SI3: R808_SI3.2 U702.13
CHNxO\N\_SI4: R808_SI4.2 U702.12
CHNxO\N\_SI5: R808_SI5.2 U702.11
CHNxO\N\_SI6: R808_SI6.2 U702.10
CLKOUT_VI1: U603_VI1.21
CLKOUT_VI2: U603_VI2.21
CLKOUT_VI3: U603_VI3.21
CLKOUT_VI4: U603_VI4.21
CLKOUT_VI5: U603_VI5.21
CLKOUT_VI6: U603_VI6.21
D+: C506.1 D502.1 D504.2 R204.2 R502.2 R503.1
D-: C506.2 D505.2 D507.2 R205.2 R504.1 R505.1
DA_F\A\L\U\T\_VI1: D201.2 U601_VI1.7